# Altium PCB MCISO-P01-V05.PcbDoc (part 1 of 2)
Units mm, origin at the board's own origin, x right, y up, seen from the top; angles counter-clockwise.
Board outline 59.6 x 95.9 mm, 2 copper layers (Top Layer, Bottom Layer), stack 1.57 mm thick; 125 components, 87 nets, 473 pads, 109 vias.
Unrouted connection lines stored in the file: 41.
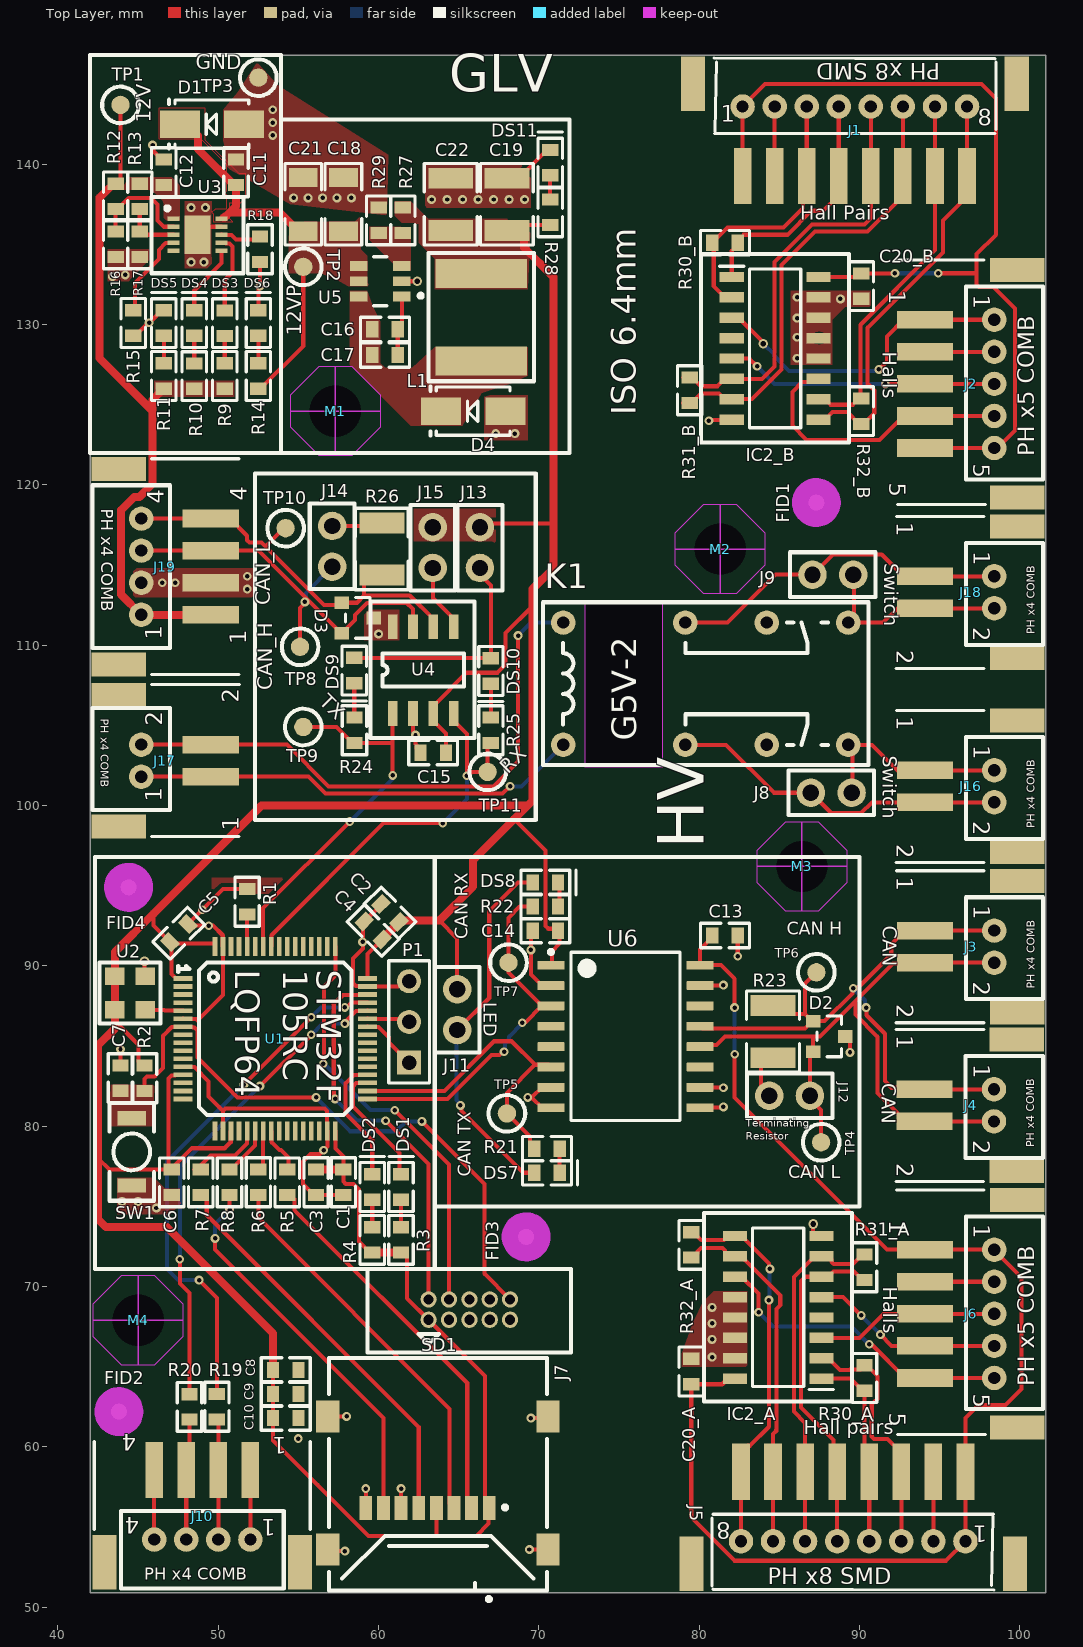
[diagram p0: Top Layer view]
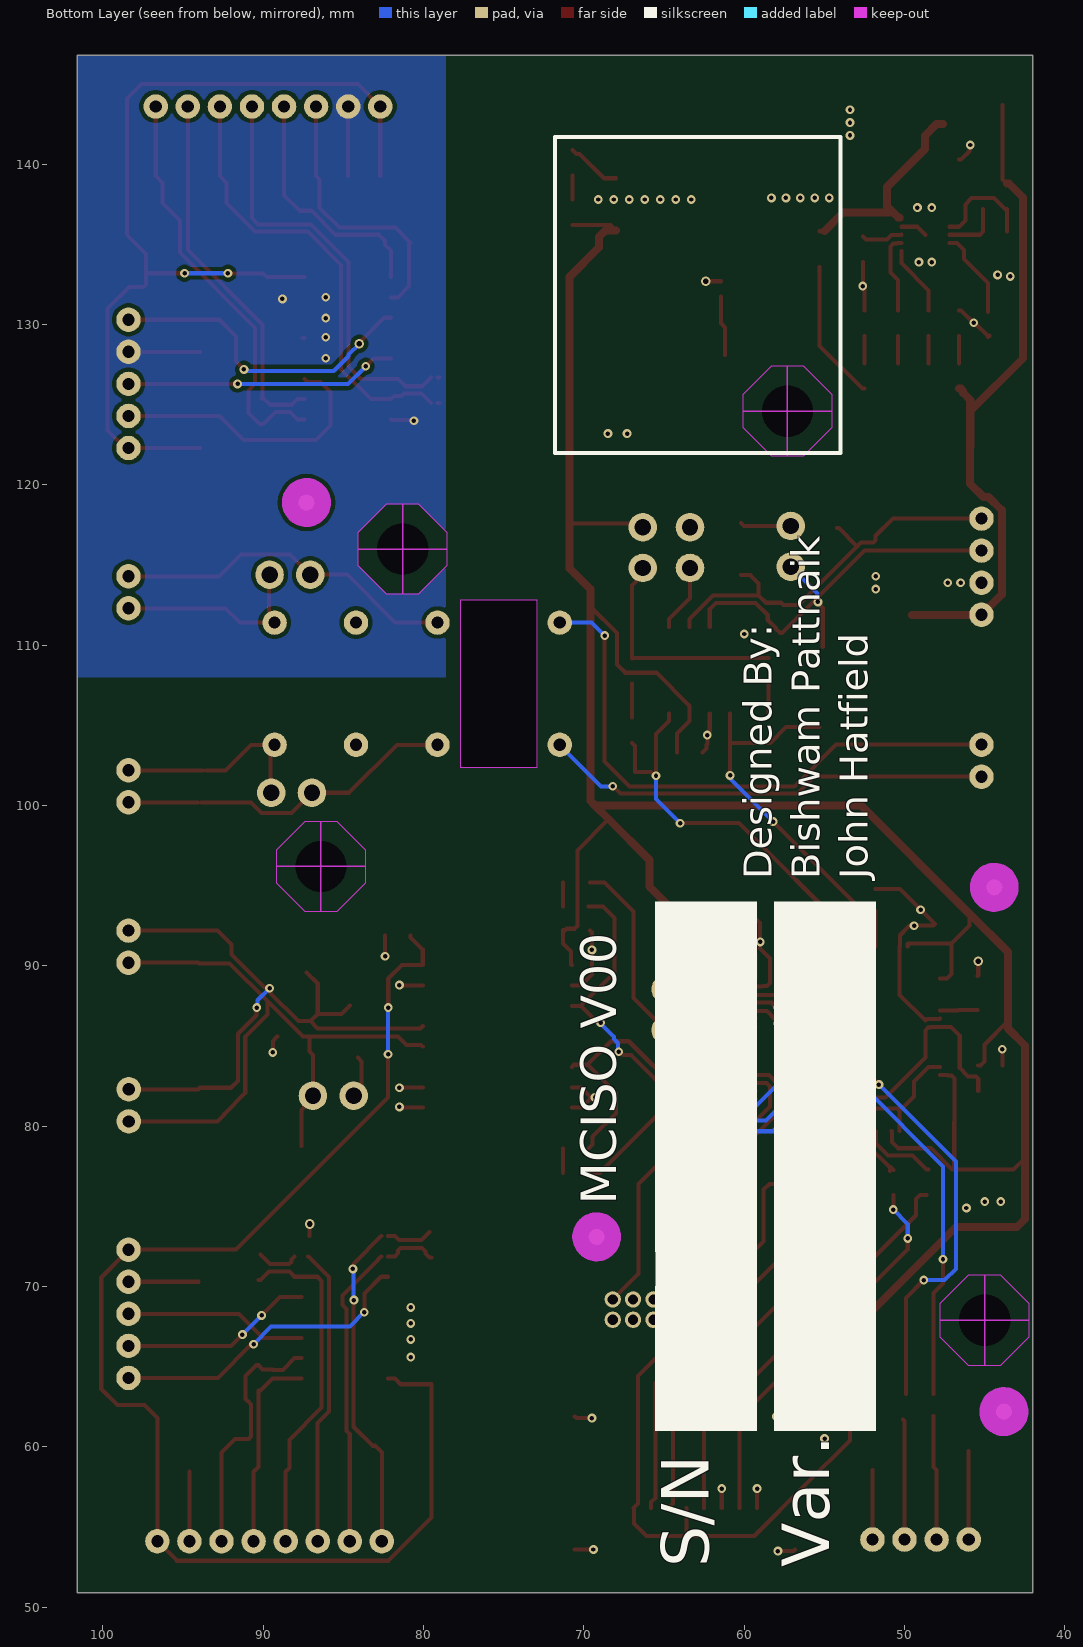
[diagram p1: Bottom Layer view, seen from below]
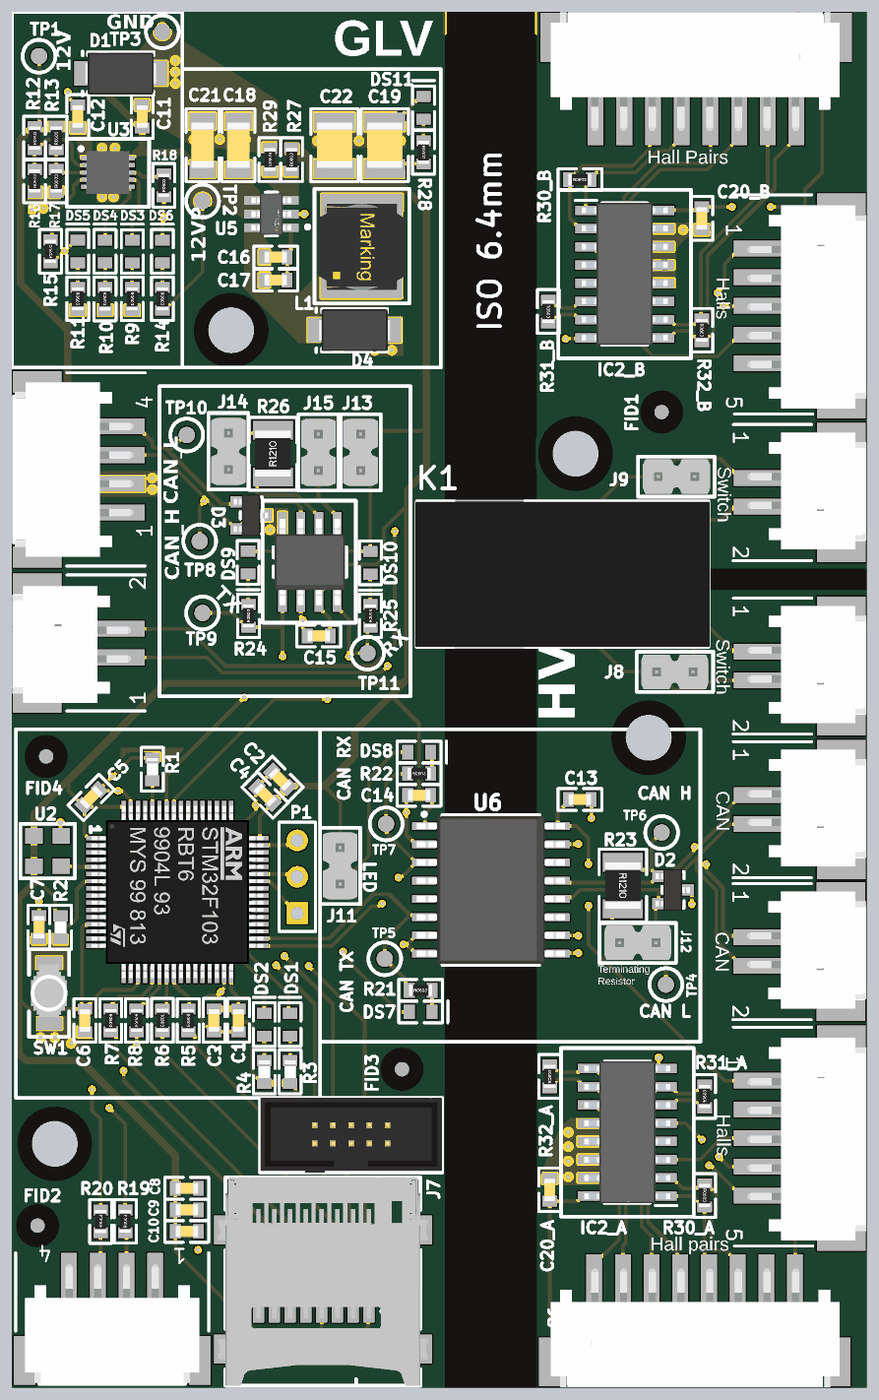
[diagram p3: 3D render of the assembled board from above, using the file's embedded part models]

## Layer stack, top to bottom
Top Solder: solder mask 0.0102, Solder Resist, Dk 3.5
Top Layer: signal copper 0.0356
Dielectric 1: core 1.4986, Core-043, Dk 4.3
Bottom Layer: signal copper 0.0356
Bottom Solder: solder mask 0.0102, Solder Resist, Dk 3.5

## Board outline
42,50.9 42,146.8 101.6,146.8 101.6,50.9
cut-out: 72.9,112.8 77.7,112.8 77.7,102.4 72.9,102.4

## Design rules (kind name [scope] priority, off if disabled: settings)
Clearance [All] p1: gap=0.254 ignorepadtopadclearanceinfootprint=FALSE except(0: Arc-Hole Track-Hole SMDPad-Hole THPad-Hole Via-Hole Fill-Hole Poly-Hole Region-Hole Text-Hole; 0.152: SMDPad-SMDPad; 0.178: Arc-SMDPad Track-SMDPad; 0.2: Arc-Arc Arc-Track Track-Track)
PolygonConnect PolygonConnect_1 [All] p1: connectstyle=Direct reliefconductorwidth=0.254 reliefentries=4 polygonreliefangle="90 Angle" airgapwidth=0.254
RoomDefinition U_MCISO-S07-V00-Master-PSU3V3-300mA [InComponentClass('U_MCISO-S07-V00-Master-PSU3V3-300mA')] p1 off: confinementstyle=ConfineIn formatcopy=TRUE lockcomponents=FALSE outline 0,0 50.8,0 50.8,25.4 0,25.4
RoomDefinition U_MCISO-S05-V00-CANIsolation [InComponentClass('U_MCISO-S05-V00-CANIsolation')] p2 off: confinementstyle=ConfineIn formatcopy=TRUE lockcomponents=FALSE outline 0,0 50.8,0 50.8,25.4 0,25.4
RoomDefinition U_MCISO-S04-V00-Microcontroller [InComponentClass('U_MCISO-S04-V00-Microcontroller')] p3 off: confinementstyle=ConfineIn formatcopy=TRUE lockcomponents=FALSE outline 0,0 50.8,0 50.8,25.4 0,25.4
RoomDefinition U_MCISO-S03-V00-CAN_MAIN [InComponentClass('U_MCISO-S03-V00-CAN_MAIN')] p4 off: confinementstyle=ConfineIn formatcopy=TRUE lockcomponents=FALSE outline 0,0 50.8,0 50.8,25.4 0,25.4
RoomDefinition U_MCISO-S02-V00-12VProtection [InComponentClass('U_MCISO-S02-V00-12VProtection')] p5 off: confinementstyle=ConfineIn formatcopy=TRUE lockcomponents=FALSE outline 50.7,8 61,8 61,24.3 50.7,24.3
RoomDefinition MCISO-S01-V00-Master [InComponentClass('MCISO-S01-V00-Master')] p6 off: confinementstyle=ConfineIn formatcopy=TRUE lockcomponents=FALSE outline 0,0 50.8,0 50.8,25.4 0,25.4
RoomDefinition B [InComponentClass('B')] p7 off: confinementstyle=ConfineIn formatcopy=TRUE lockcomponents=FALSE outline 0,0 50.8,0 50.8,25.4 0,25.4
RoomDefinition A [InComponentClass('A')] p8 off: confinementstyle=ConfineIn formatcopy=TRUE lockcomponents=FALSE outline 0,0 50.8,0 50.8,25.4 0,25.4
RoutingVias [All] p1: holewidth=0.35 width=0.6 viastyle="Through Hole" minholewidth=0.35 minwidth=0.6 maxholewidth=0.35 maxwidth=0.6
SilkToSilkClearance [All] p1: silktosilkclearance=0
SilkToSolderMaskClearance [IsPad] p1: minsilkscreentomaskgap=0 clearancetoexposedcopper=TRUE
SolderMaskExpansion [All] p1: expansion=0.102 istentingtop=FALSE
Width [All] p1: maxlimit=0.5 minlimit=0.254 preferedwidth=0.254
28 further rules are at their usual default settings.

## Classes and differential pairs
component class B: C20_B IC2_B R30_B R31_B R32_B
component class A: C20_A IC2_A R30_A R31_A R32_A
channel class MCISO-S06-V00-HALL_DIFFB: "DIFF A" "DIFF B"
component class U_MCISO-S07-V00-Master-PSU3V3-300mA: C16 C17 C18 C19 C21 C22 D4 DS11 L1 R27 R28 R29 "TP 13" U5
component class U_MCISO-S03-V00-CAN_MAIN: C15 D3 DS9 DS10 J13 J14 J15 R24 R25 R26 TP8 TP9 TP10 TP11 U4
component class U_MCISO-S02-V00-12VProtection: C8 C9 C10 C11 C12 D1 DS3 DS4 DS5 DS6 J10 J19 R5 R6 R7 R8 R9 R10 R11 R12 R13 R14 R15 R16 R17 R18 R19 R20 SD1 TP1 TP2 TP3 U3
component class U_MCISO-S05-V00-CANIsolation: C13 C14 D2 DS7 DS8 J11 J12 R21 R22 R23 TP4 TP5 TP6 TP7 U6
component class U_MCISO-S04-V00-Microcontroller: C1 C2 C3 C4 C5 C6 C7 DS1 DS2 J7 P1 R1 R2 R3 R4 SW1 U1 U2
component class MCISO-S01-V00-Master: Connector? FID1 FID2 FID3 FID4 J1 J2 J3 J4 J5 J6 J8 J9 J16 J17 J18 K1 LOGO1 M1 M2 M3 M4 NCM?

## Components (designator, comment, footprint, x,y, rotation, side; value= is the part's Value field where it differs from the comment)
C1 "100nF" Cap_Ceramic_0603 57.8,76.507 r90 top
C2 "100nF" Cap_Ceramic_0603 60.7,93.3 r315 top
C3 "100nF" Cap_Ceramic_0603 56.1,76.507 r90 top
C4 "100nF" Cap_Ceramic_0603 59.664,92.215 r315 top
C5 "4u7" Cap_Ceramic_0603 47.539,92.039 r225 top
C6 "100nF 100V" Cap_Ceramic_0603 47.1,76.5 r90 top
C7 "100nF 100V" Cap_Ceramic_0603 43.9,83 r270 top
C8 "4u7" Cap_Ceramic_0603 54.207,64.8 r180 top
C9 "1uF" Cap_Ceramic_0603 54.207,63.3 r180 top
C10 "100nF" Cap_Ceramic_0603 54.207,61.8 r180 top
C11 "4u7 50V 5%" Cap_Ceramic_0603 51.1,139.5 r270 top
C12 "470nF 50V 5%" Cap_Ceramic_0603 46.6,139.5 r270 top
C13 "4u7" Cap_Ceramic_0603 81.6,91.9 r180 top
C14 "4u7" Cap_Ceramic_0603 70.4,92.2 r0 top
C15 "100nF 100V" Cap_Ceramic_0603 63.4,103.3 r0 top
C16 "100nF 50V" Cap_Ceramic_0603 60.4,129.7 r180 top
C17 "100nF 50V" Cap_Ceramic_0603 60.4,128.1 r180 top
C18 "22uF 35V" Cap_Ceramic_1206 57.8,137.5 r90 top
C19 "47uF 16V 1210" Cap_Ceramic_1210 68,137.5 r270 top
C20_A "0.1u" Cap_Ceramic_0603 79.5,64.7 r270 top (schematic designator C20)
C20_B "0.1u" Cap_Ceramic_0603 90.1,132.4 r90 top (schematic designator C20)
C21 "22uF 35V" Cap_Ceramic_1206 55.3,137.5 r90 top
C22 "47uF 16V 1210" Cap_Ceramic_1210 64.5,137.5 r270 top
D1 "1N4448WQ-7-F" SMA 49.6,142.5 r180 top
D2 "NUP2105L" NUP2105L 88.1,85.6 r270 top
D3 "NUP2105L" NUP2105L 58.7,111.7 r270 top
D4 "B260A-13-F" SMA 65.9,124.6 r180 top
DS1 "LED Orange" "LED ORANGE 0603" 61.4,76.207 r90 top
DS2 "LED Orange" "LED ORANGE 0603" 59.6,76.207 r90 top
DS3 "LED Red 0603" "LED RED 0603" 50.4,130.087 r90 top
DS4 "LED Red 0603" "LED RED 0603" 48.5,130.093 r90 top
DS5 "LED Green 0603" "LED GREEN 0603" 46.6,130.093 r90 top
DS6 "LED Green 0603" "LED GREEN 0603" 52.5,130.093 r90 top
DS7 "LED Blue 0603" "LED BLUE 0603" 70.5,77.1 r0 top
DS8 "LED Blue 0603" "LED BLUE 0603" 70.4,95.2 r0 top
DS9 "LED Blue 0603" "LED BLUE 0603" 58.48,108.419 r270 top
DS10 "LED Blue 0603" "LED BLUE 0603" 67,108.393 r270 top
DS11 "LED Green 0603" "LED GREEN 0603" 70.7,140.1 r90 top
FID1 "Fiducial 1MM" "FIDUCIAL 1MM" 87.3,118.9 r90 top
FID2 "Fiducial 1MM" "FIDUCIAL 1MM" 43.8,62.2 r90 top
FID3 "Fiducial 1MM" "FIDUCIAL 1MM" 69.2,73.1 r90 top
FID4 "Fiducial 1MM" "FIDUCIAL 1MM" 44.4,94.9 r90 top
IC2_A "AM26LS32ACDR" SOIC127P600X175-16N 84.913,68.707 r180 top (schematic designator IC2)
IC2_B "AM26LS32ACDR" SOIC127P600X175-16N 84.725,128.521 r0 top (schematic designator IC2)
J1 "JST PH 8x Right comb" "JST PH 8x RIGHT SMD" 87.7,146.51 r0 top
J2 "JST PH 5x RIGHT COMB" "JST PH 5x RIGHT COMB" 101.321,127.3 r270 top
J3 "JST PH 2x RIGHT COMB" "JST PH 2x RIGHT COMB" 101.321,89.2 r270 top
J4 "JST PH 2x RIGHT COMB" "JST PH 2x RIGHT COMB" 101.3,79.3 r270 top
J5 "JST PH 8x Right comb" "JST PH 8x RIGHT SMD" 91.6,51.2 r180 top
J6 "JST PH 5x RIGHT COMB" "JST PH 5x RIGHT COMB" 101.321,69.3 r270 top
J7 "IDC 10P 2x5 1.27mm" "IDC 1.27MM 10P" 65.66,68.565 r0 top
J8 "Jumper 2Way Pins" Jumper_2Way_Pin 89.5,100.8 r0 top
J9 "Jumper 2Way Pins" Jumper_2Way_Pin 87.06,114.4 r180 top
J10 "JST PH 4x RIGHT COMB" "JST PH 4x RIGHT COMB" 49,51.3 r180 top
J11 "Jumper 2Way Pins" Jumper_2Way_Pin 64.9,86 r270 top
J12 "Jumper 2Way Pins" Jumper_2Way_Pin 84.36,81.9 r180 top
J13 "Jumper 2Way Pins" Jumper_2Way_Pin 66.319,114.819 r270 top
J14 "Jumper 2Way Pins" Jumper_2Way_Pin 57.1,117.44 r90 top
J15 "Jumper 2Way Pins" Jumper_2Way_Pin 63.38,114.819 r270 top
J16 "JST PH 2x RIGHT COMB" "JST PH 2x RIGHT COMB" 101.321,99.2 r270 top
J17 "JST PH 2x RIGHT COMB" "JST PH 2x RIGHT COMB" 42.279,104.8 r90 top
J18 "JST PH 2x RIGHT COMB" "JST PH 2x RIGHT COMB" 101.321,111.3 r270 top
J19 "JST PH 4x RIGHT COMB" "JST PH 4x RIGHT COMB" 42.279,114.9 r90 top
K1 "G5V-2-DC12" G5V-2 80.4,107.6 r0 top
L1 "74404064221" Inductor_6x6mm 66.4,130.4 r90 top
LOGO1 "50mm Wide QUTMS Logo" "QUTMS LOGO 10MM" 117.4,52 r90 top
M1 "Hole M3 Tight Unplated" "M3.2 UNPLATED" 57.3,124.6 r0 top
M2 "Hole M3 Tight Unplated" "M3.2 UNPLATED" 81.3,116 r0 top
M3 "Hole M3 Tight Unplated" "M3.2 UNPLATED" 86.4,96.2 r0 top
M4 "Hole M3 Tight Unplated" "M3.2 UNPLATED" 45,67.9 r0 top
P1 "Header 3" HDR1X3 61.9,83.967 r90 top
R1 "10k 1% 0603" Res_ThinFilm_0603 51.8,94 r270 top
R2 "4k7" Res_ThinFilm_0603 45.4,82.993 r90 top
R3 "330R" Res_ThinFilm_0603 61.4,72.912 r270 top
R4 "330R" Res_ThinFilm_0603 59.6,72.912 r270 top
R5 "220R" Res_ThinFilm_0603 54.3,76.5 r270 top
R6 "220R" Res_ThinFilm_0603 52.5,76.507 r270 top
R7 "220R" Res_ThinFilm_0603 48.9,76.5 r270 top
R8 "220R" Res_ThinFilm_0603 50.7,76.5 r270 top
R9 "4k7 5% 0603" Res_ThinFilm_0603 50.4,126.793 r270 top
R10 "4k7 5% 0603" Res_ThinFilm_0603 48.5,126.787 r270 top
R11 "4k7 5% 0603" Res_ThinFilm_0603 46.6,126.793 r270 top
R12 "2M2 1%" Res_ThinFilm_0603 43.6,137.993 r90 top
R13 "2M2 1%" Res_ThinFilm_0603 45.1,137.993 r90 top
R14 "4k7 5% 0603" Res_ThinFilm_0603 52.5,126.793 r270 top
R15 "150k 5% 0603" Res_ThinFilm_0603 44.7,130.1 r90 top
R16 "390k 5%" Res_ThinFilm_0603 43.6,135.007 r90 top
R17 "240k 5%" Res_ThinFilm_0603 45.1,135.007 r90 top
R18 "1k 5% 0603" Res_ThinFilm_0603 52.6,134.7 r90 top
R19 "22R" Res_ThinFilm_0603 49.909,62.5 r90 top
R20 "22R" Res_ThinFilm_0603 48.2,62.493 r90 top
R21 "330R" Res_ThinFilm_0603 70.5,78.6 r0 top
R22 "330R" Res_ThinFilm_0603 70.4,93.7 r0 top
R23 "120R 1% 1210" Res_ThinFilm_1210 84.6,85.9 r270 top
R24 "330R" Res_ThinFilm_0603 58.5,104.7 r90 top
R25 "330R" Res_ThinFilm_0603 67,104.7 r90 top
R26 "120R 1% 1210" Res_ThinFilm_1210 60.2,116 r90 top
R27 "64k9 1%" Res_ThinFilm_0603 61.5,136.5 r90 top
R28 "1k" Res_ThinFilm_0603 70.7,137 r270 top
R29 "19k6 1%" Res_ThinFilm_0603 60,136.5 r270 top
R30_A "120" Res_ThinFilm_0603 90.3,64.3 r270 top (schematic designator R30)
R30_B "120" Res_ThinFilm_0603 81.6,135.1 r0 top (schematic designator R30)
R31_A "120" Res_ThinFilm_0603 90.3,71.207 r90 top (schematic designator R31)
R31_B "120" Res_ThinFilm_0603 79.4,125.907 r270 top (schematic designator R31)
R32_A "120" Res_ThinFilm_0603 79.5,72.6 r90 top (schematic designator R32)
R32_B "120" Res_ThinFilm_0603 90.1,124.6 r270 top (schematic designator R32)
SD1 "47219-2001" 47219-2001 63.695,57.75 r180 top
SW1 "B3U-1000P" "BTN B3U-1000P" 44.6,78.4 r90 top
TP1 "TestPoint" TestPointSMD 43.9,143.7 r0 top
TP2 "TestPoint" TestPointSMD 55.3,133.6 r0 top
TP3 "TestPoint" TestPointSMD 52.5,145.4 r0 top
TP4 "TestPoint_SMD" TestPointSMD 87.6,79 r0 top
TP5 "TestPoint_SMD" TestPointSMD 68,80.8 r0 top
TP6 "TestPoint_SMD" TestPointSMD 87.3,89.6 r0 top
TP7 "TestPoint_SMD" TestPointSMD 68.1,90.2 r0 top
TP8 "TestPoint_SMD" TestPointSMD 55.1,109.9 r90 top
TP9 "TestPoint_SMD" TestPointSMD 55.3,104.9 r0 top
TP10 "TestPoint_SMD" TestPointSMD 54.2,117.3 r180 top
TP11 "TestPoint_SMD" TestPointSMD 66.8,102.1 r90 top
U1 "STM32F105RC" STM32F105RC 47.8,89.207 r270 top
U2 "DSC1001DI1-008.0000T" DSC1001DI1-008.0000TCT-ND 44.5,88.307 r0 top
U3 "MAX17612A" MAX17612A 48.7,135.6 r0 top
U4 "SN65HVD233" SN65HVD233DR 62.78,108.449 r90 top
U5 "LMR14010ADDCR" FP-DDC0006A-MFG 60.1,132.7 r180 top
U6 "ISO1050DWR" DW00016B_L 75.4,85.6 r0 top

## Footprints (in the part's own frame and the unit in brackets; to place one, negate y for a bottom-side part, rotate by r counter-clockwise, add the part's x,y. Pads: shape width x height; smd on the part's side, far side on the other; paste and mask are expansions set on the pad)
47219-2001 [mm]
  rect 0.8x1.5 smd: 1(-3.205,1.55) 2(-2.105,1.55) 3(-1.005,1.55) 4(0.095,1.55) 5(1.195,1.55) 6(2.295,1.55) 7(3.395,1.55) 8(4.495,1.55)
  rect 1.45x2 smd: 9(6.875,4.15) 10(6.875,-4.15) 11(-6.875,-4.15) 12(-6.875,4.15)
  silkscreen extent -6.8,-7.8 6.8,7.36, body extent -7.3,-7.79 7.3,6.71, height 1.91
"BTN B3U-1000P" [mil] "OMRON B3U-1000P"
  rect 35x70 smd: 1(-82.68,0) 2(82.68,0)
  silkscreen extent -120,-55 120,55, body extent -79,-49 79,49
Cap_Ceramic_0603 [mil]
  rect 30x40 smd: 1(-31.24,0) 2(31.24,0)
  silkscreen extent -60,-30 60,30, body extent -31,-16 31,16, height 33
Cap_Ceramic_1206 [mil]
  rect 47x71 smd: 1(-66.08,0) 2(66.08,0)
  silkscreen extent -100,-45 100,45, body extent -63,-31 63,32, height 53
Cap_Ceramic_1210 [mm]
  rect 1.3x2.8 smd: 1(-1.625,0) 2(1.625,0)
  silkscreen extent -2.54,-1.65 2.54,1.65, body extent -1.6,-1.25 1.6,1.25, height 1.35
DSC1001DI1-008.0000TCT-ND [mm]
  rect 1.219x1.092 smd: 1(-0.95,1.05) 2(0.95,1.05) 3(0.95,-1.05) 4(-0.95,-1.05)
  silkscreen extent -1.91,-1.91 1.91,1.91, body extent -1.25,-1.6 1.25,1.6, height 0.85
DW00016B_L [mm] "SOIC, 16-Leads, Body 10.5x7.6mm, Pitch 1.27mm, IPC High Density"
  rrect18% 1.7x0.55 smd: 1(-4.65,4.445) 2(-4.65,3.175) 3(-4.65,1.905) 4(-4.65,0.635) 5(-4.65,-0.635) 6(-4.65,-1.905) 7(-4.65,-3.175) 8(-4.65,-4.445) 9(4.65,-4.445) 10(4.65,-3.175) 11(4.65,-1.905) 12(4.65,-0.635) 13(4.65,0.635) 14(4.65,1.905) 15(4.65,3.175) 16(4.65,4.445)
  silkscreen extent -4.77,-5.25 3.4,5.39, body extent -5.17,-5.15 5.17,5.15, height 2.54
"FIDUCIAL 1MM" [mm]
  round 1 smd mask+1: 1(0,0)
  round 1 smd far side mask+1: 1(0,0)
  Keep-Out Layer circle w1.524: c0,0 r0.762
FP-DDC0006A-MFG [mm]
  rect 1.1x0.6 smd paste+0 mask+0: 1(-1.35,0.95) 2(-1.35,0) 3(-1.35,-0.95) 4(1.35,-0.95) 5(1.35,0) 6(1.35,0.95)
  silkscreen extent -2.65,-1.53 0.43,1.53, body extent -2,-1.63 2,1.63, height 0.25
G5V-2 [mil]
  round 60 hole 30: 1(-350,150) 4(-50,150) 6(150,150) 8(350,150) 9(350,-150) 11(150,-150) 13(-50,-150) 16(-350,-150)
  silkscreen extent -400,-200 400,200, body extent -404,-199 404,199, height 453
HDR1X3 [mm] "Connector; Header; 3 Position"
  rect 1.5x1.5 hole 0.9: 1(0,0)
  round 1.5 hole 0.9: 2(2.54,0) 3(5.08,0)
  silkscreen extent -1.27,-1.27 6.35,1.27
"IDC 1.27MM 10P" [mil]
  round 40 hole 25: 1(-100,-25) 2(-100,25) 3(-50,-25) 4(-50,25) 5(0,-25) 6(0,25) 7(50,-25) 8(50,25) 9(100,-25) 10(100,25)
  silkscreen extent -250,-105 250,100, body extent -249,-104 249,100, height 214
Inductor_6x6mm [mm]
  rect 1.8x5.7 smd: 1(-2.667,0) 2(2.794,0)
  silkscreen extent -3.94,-3.3 4.06,3.3, body extent -3,-3 3,3, height 4.56
"JST PH 2x RIGHT COMB" [mm]
  round 1.524 hole 0.762: 1(-3,-2.921) 2(-1,-2.921)
  rect 1.1x3.5 smd: 1(-3,-7.25) 2(-1,-7.25)
  rect 1.5x3.4 smd: M(-6.1,-1.5) M(2.1,-1.5)
  silkscreen extent -6.73,-9.04 2.75,0.13, body extent -6.17,-8.03 1.97,0.23, height 5.89
"JST PH 4x RIGHT COMB" [mm]
  round 1.524 hole 0.762: 1(-3,-2.921) 2(-1,-2.921) 3(1,-2.921) 4(3,-2.921)
  rect 1.1x3.5 smd: 1(-3,-7.25) 2(-1,-7.25) 3(1,-7.25) 4(3,-7.25)
  rect 1.5x3.4 smd: M(-6.1,-1.5) M(6.1,-1.5)
  silkscreen extent -6.73,-9.02 6.73,0.13, body extent -6.07,-8.2 6.07,0.06, height 5.89
"JST PH 5x RIGHT COMB" [mm]
  round 1.524 hole 0.762: 1(-3,-2.921) 2(-1,-2.921) 3(1,-2.921) 4(3,-2.921) 5(5,-2.921)
  rect 1.1x3.5 smd: 1(-3,-7.25) 2(-1,-7.25) 3(1,-7.25) 4(3,-7.25) 5(5,-7.25)
  rect 1.5x3.4 smd: M(-6.1,-1.5) M(8.1,-1.5)
  silkscreen extent -6.73,-9.02 8.53,0.13, body extent -6,-8.03 8.15,0.23, height 5.89
"JST PH 8x RIGHT SMD" [mm]
  rect 1.1x3.5 smd: 1(-5,-7.25) 2(-3,-7.25) 3(-1,-7.25) 4(1,-7.25) 5(3,-7.25) 6(5,-7.25) 7(7,-7.25) 8(9,-7.25)
  round 1.524 hole 0.762: 1(-5,-2.91) 2(-3,-2.91) 3(-1,-2.91) 4(1,-2.91) 5(3,-2.91) 6(5,-2.91) 7(7,-2.91) 8(9,-2.91)
  rect 1.5x3.4 smd: M(-8.1,-1.5) M(12.1,-1.5)
  silkscreen extent -6.78,-4.6 10.8,0.13, body extent -8.12,-8 12.03,0.25, height 5.89
Jumper_2Way_Pin [mil]
  round 70 hole 40: 1(-100,0) 2(0,0)
  silkscreen extent -155,-55 55,55, body extent -142,-48 42,47, height 332
"LED BLUE 0603" [mil]
  rect 30x40 smd: 1(-31.24,0) 2(31.24,0)
  silkscreen extent -60,-30 75,30, body extent -40,-20 40,20, height 30
"LED GREEN 0603" [mil]
  rect 30x40 smd: 1(-31.24,0) 2(31.24,0)
  silkscreen extent -60,-30 75,30, body extent -40,-20 40,20, height 30
"LED ORANGE 0603" [mil]
  rect 30x40 smd: 1(-31.24,0) 2(31.24,0)
  silkscreen extent -60,-30 75,30, body extent -40,-20 40,20, height 30
"LED RED 0603" [mil]
  rect 30x40 smd: 1(-31.24,0) 2(31.24,0)
  silkscreen extent -60,-30 75,30, body extent -40,-20 40,20, height 30
"M3.2 UNPLATED" [mm]
  round 0 hole 3.2 unplated mask+2.6: 1(0,0)
  Keep-Out Layer pour cut-out: -2.794,0 -2.794,1.016 -1.016,2.794 0,2.794 0,0
  Keep-Out Layer pour cut-out: 0,2.794 1.016,2.794 2.794,1.016 2.794,0 0,0
  Keep-Out Layer pour cut-out: 2.794,0 2.794,-1.016 1.016,-2.794 0,-2.794 0,0
  Keep-Out Layer pour cut-out: 0,-2.794 -1.016,-2.794 -2.794,-1.016 -2.794,0 0,0
MAX17612A [mm]
  rect 0.75x0.3 smd: 1(-1.5,1) 2(-1.5,0.5) 3(-1.5,0) 4(-1.5,-0.5) 5(-1.5,-1) 6(1.5,-1) 7(1.5,-0.5) 8(1.5,0) 9(1.5,0.5) 10(1.5,1)
  rect 1.6x2.4 smd: 11(0,0)
  silkscreen extent -2.87,-2.4 2.87,2.35, body extent -1.55,-1.5 1.55,1.5, height 0.8
NUP2105L [mm]
  rect 0.8x0.9 smd: 1(-0.95,-1) 2(0.95,-1) 3(0,1)
  silkscreen extent -1.27,-0.76 1.27,0.76, body extent -1.45,-1.22 1.45,1.18, height 1
"QUTMS LOGO 10MM" [mm]
  silkscreen extent 0,0 9.96,3.34
Res_ThinFilm_0603 [mil]
  rect 30x40 smd: 1(-31.24,0) 2(31.24,0)
  silkscreen extent -60,-30 60,30, body extent -31,-16 31,16
Res_ThinFilm_1210 [mm]
  rect 1.3x2.8 smd: 1(-1.625,0) 2(1.625,0)
  silkscreen extent -2.54,-1.65 2.54,1.65, body extent -1.6,-1.25 1.6,1.25, height 0.6
SMA [mm]
  rect 2.5x1.7 smd: A(-2,0) K(2,0)
  silkscreen extent -2.3,-1.52 2.67,1.52, body extent -2.52,-1.46 2.52,1.46, height 2.4
SN65HVD233DR [mm]
  rect 1.55x0.6 smd: 1(-2.7,1.903) 2(-2.7,0.633) 3(-2.7,-0.637) 4(-2.7,-1.907) 5(2.7,-1.907) 6(2.7,-0.637) 7(2.7,0.633) 8(2.7,1.903)
  silkscreen extent -4.23,-3.2 4.28,3.3, body extent -3.01,-2.45 3.01,2.45, height 1.63
SOIC127P600X175-16N [mm]
  rect 1.5x0.65 smd: 1(-2.7,4.445) 2(-2.7,3.175) 3(-2.7,1.905) 4(-2.7,0.635) 5(-2.7,-0.635) 6(-2.7,-1.905) 7(-2.7,-3.175) 8(-2.7,-4.445) 9(2.7,-4.445) 10(2.7,-3.175) 11(2.7,-1.905) 12(2.7,-0.635) 13(2.7,0.635) 14(2.7,1.905) 15(2.7,3.175) 16(2.7,4.445)
  silkscreen extent -4.62,-5.87 4.62,5.87, body extent -3,-4.95 3,4.95, height 1.75
STM32F105RC [mm]
  rect 0.3x1.2 smd: 1(0,0) 2(0.5,0) 3(1,0) 4(1.5,0) 5(2,0) 6(2.5,0) 7(3,0) 8(3.5,0) 9(4,0) 10(4.5,0) 11(5,0) 12(5.5,0) 13(6,0) 14(6.5,0) 15(7,0) 16(7.5,0) 33(7.5,11.5) 34(7,11.5) 35(6.5,11.5) 36(6,11.5) 37(5.5,11.5) 38(5,11.5) 39(4.5,11.5) 40(4,11.5) 41(3.5,11.5) 42(3,11.5) 43(2.5,11.5) 44(2,11.5) 45(1.5,11.5) 46(1,11.5) 47(0.5,11.5) 48(0,11.5)
  rect 1.2x0.3 smd: 17(9.5,2) 18(9.5,2.5) 19(9.5,3) 20(9.5,3.5) 21(9.5,4) 22(9.5,4.5) 23(9.5,5) 24(9.5,5.5) 25(9.5,6) 26(9.5,6.5) 27(9.5,7) 28(9.5,7.5) 29(9.5,8) 30(9.5,8.5) 31(9.5,9) 32(9.5,9.5) 49(-2,9.5) 50(-2,9) 51(-2,8.5) 52(-2,8) 53(-2,7.5) 54(-2,7) 55(-2,6.5) 56(-2,6) 57(-2,5.5) 58(-2,5) 59(-2,4.5) 60(-2,4) 61(-2,3.5) 62(-2,3) 63(-2,2.5) 64(-2,2)
  silkscreen extent -1,-0.3 8.5,10.5, body extent -2.25,-0.25 9.75,11.75, height 1.6
TestPointSMD [mil]
  round 45 smd: 1(0,0)
  silkscreen extent -45,-45 45,45

## Part data
C1 C2 C3 C4 C10 C16 C17: library part "100nF 50V 5% X7R 0603", "Capacitor, Ceramic, SMD, 100nF, 50V, 5%, X7R, 0603"
C5 C8 C11 C13 C14 C20_A C20_B: library part "4u7 50V 5% X7R 0603", "Capacitor, Ceramic, SMD, 4u7, 50V, 5%, X7R, 0603"
C6 C7 C15: library part "100nF 100V 5% X7R 0603", "Capacitor, Ceramic, SMD, 100nF, 100V, 5%, X7R, 0603"
C9: library part "1uF 25V 5% X7R 0603", "Capacitor, Ceramic, SMD, 1uF, 25V, 5%, X7R, 0603"
C12: library part "470nF 50V 5% X7R 0603", "Capacitor, Ceramic, SMD, 470nF, 50V, 5%, X7R, 0603"
C18 C21: library part "22uF 35V 20% X5R 1206", "22µF ±20% 35V Ceramic Capacitor X5R 1206 (3216 Metric)", ComponentLink1Description=Digikey, ComponentLink1URL=https://www.digikey.com.au/product-detail/en/tdk-corporation/C3216X5R1V226M160AC/445-8045-1-ND/2792165, ComponentLink2Description=Datasheet, ComponentLink2URL=https://product.tdk.com/info/en/catalog/datasheets/mlcc_commercial_general_en.pdf
C19 C22: library part "47uF 16V 10% X7R 1210", "Capacitor, Ceramic, SMD, 47uF, 16V, 5%, X7R, 1210"
D1: "Diode, SMD, 75V, 5%, 250mA, SOD123", Average Rectified Current=150mA, Forward Voltage=1V, Manufacturer="ON Semiconductor / Fairchild", Manufacturer Part Number=1N914BWS, Max Forward Surge Current (Ifsm)=4A, Max Operating Temperature=150°C, Max Repetitive Reverse Voltage (Vrrm)=75V, Max Reverse Leakage Current=5uA, Min Operating Temperature=-55°C, Package Quantity=1, Power Dissipation=200mW, Category="Rectifier Diodes", Contact Plating=Tin,Matte, Element Configuration=Single, Forward Current=150mA, Height=1mm, Lead Free="Lead Free", Length=1.8mm, Max Reverse Voltage (DC)=75V, Mount="Surface Mount", Number of Pins=2, Packaging="Tape and Reel", Peak Reverse Current=5uA, Radiation Hardening=No, REACH SVHC="No SVHC", Recovery Time=4ns, Reverse Recovery Time=4ns, Reverse Voltage=75V, Weight=0.0276g, Width=1.35mm
D4: "Diode, Schottky Barrier Rectifier, 60 V, 2 A, B260A-13-F"
DS1 DS2: library part "LED ORANGE 0603"
DS7 DS8 DS9 DS10: library part "LED BLUE 0603"
IC2_A IC2_B: "Integrated Circuit", Manufacturer_Name="Texas Instruments", Mouser Part Number=595-AM26LS32ACDR, Arrow Part Number=AM26LS32ACDR, Arrow Price/Stock=https://www.arrow.com/en/products/am26ls32acdr/texas-instruments, Datasheet Link=http://www.ti.com/lit/gpn/am26ls32ac, Height=1.75mm, Manufacturer_Part_Number=AM26LS32ACDR, Mouser Price/Stock=https://www.mouser.co.uk/ProductDetail/Texas-Instruments/AM26LS32ACDR/?qs=L4Mc90zKIpjEhSPPcfdoEw%3D%3D
J8 J9 J11 J12 J13 J14 J15: library part "Jumper 2Way Side Pins", "Jumper 2Way Side Pins"
K1: "General Purpose Relay DPDT (2 Form C) Through Hole, 12V, 2A"
L1: "FIXED IND 220UH 660MA 850 MOHM", ComponentLink1Description=Digikey, ComponentLink1URL=https://www.digikey.com.au/product-detail/en/w%C3%BCrth-elektronik/74404064221/732-7261-1-ND/5353241, ComponentLink2Description="LCSC A", ComponentLink2URL=https://lcsc.com/product-detail/Power-Inductors_Sunlord-SWPA6045S221MT_C91047.html, ComponentLink3Description="LCSC B", ComponentLink3URL=https://lcsc.com/product-detail/Power-Inductors_SXN-Shun-Xiang-Nuo-Elec-SMNR6045-221MT_C467145.html
LOGO1: library part "QUTMS Logo 50mm"
M1 M2 M3 M4: "M3.2 Hole, No Plating"
P1: "Header, 3-Pin", LatestRevisionDate=17-Jul-2002, LatestRevisionNote="Re-released for DXP Platform.", Publisher="Altium Limited"
R1: library part "20k 1% 0603", "Resistor, SMD, 20k, 0.1W, 5%, 0603"
R2: library part "4k7 5% 0603", "Resistor, SMD, 4k7, 0.1W, 5%, 0603"
R3 R4 R21 R22 R24 R25: library part "330R 5% 0603", "Resistor, SMD, 330R, 0.1W, 5%, 0603"
R5 R6 R7 R8: library part "220R 5% 0603", "Resistor, SMD, 220R, 0.1W, 5%, 0603"
R9 R10 R11 R14: "Resistor, SMD, 4k7, 0.1W, 5%, 0603"
R12 R13: library part "2M2 1% 0603", "Resistor, SMD, 2M2, 0.125W, 1%, 0603"
R15: library part "150k 5%, 0603", "Resistor, SMD, 150k, 0.1W, 5%, 0603"
R16: library part "390k 5% 0603", "Resistor, SMD, 390k, 0.1W, 5%, 0603"
R17: library part "240k 5% 0603", "Resistor, SMD, 240k, 0.1W, 5%, 0603"
R18: "Resistor, SMD, 1k, 0.1W, 5%, 0603"
R19 R20: library part "22R 1% 0603", "Resistor, SMD, 22R, 0.1W, 1%, 0603"
R23 R26: "Resistor, SMD, 120R, 0.25W, 1%, 1210"
R27: library part "64k9 1% 0603", "Resistor, SMD, 64k9, 0.1W, 5%, 0603"
R28: library part "1k 5% 0603", "Resistor, SMD, 1k, 0.1W, 5%, 0603"
R29: library part "19k6 1% 0603", "Resistor, SMD, 19k6, 0.1W, 5%, 0603"
R30_A R30_B R31_A R31_B R32_A R32_B: library part "120 1% 0603", "Resistor, SMD, 120, 0.1W, 5%, 0603"
SD1: "MicroSD Card Connector, Hinge Type, -40 to 85 degC, 8-Pin SMD, RoHS, Tape and Reel"
SW1: library part "BTN B3U-1000P", "Omron B3U-1000P Ultra Miniture Switch", ComponentLink1Description=LCSC, ComponentLink1URL=https://lcsc.com/product-detail/Tactile-Switches_BRIGHT-TSA063G50-250_C294565.html
U1: "ARM® Cortex®-M3 STM32F1 Microcontroller IC 32-Bit 72MHz 256KB (256K x 8) FLASH 64-LQFP (10x10)", ComponentLink1Description=Digikey, ComponentLink1URL=https://www.digikey.com.au/product-detail/en/stmicroelectronics/STM32F105RCT6TR/497-17397-1-ND/8024118, ComponentLink2Description=Datasheet, ComponentLink2URL=https://www.st.com/content/ccc/resource/technical/document/datasheet/e4/f3/1a/89/5a/02/46/ae/CD00220364.pdf/files/CD00220364.pdf/jcr:content/translations/en.CD00220364.pdf
U2: "on 8MHz XO (Standard) CMOS Oscillator 1.8 ~ 3.3V Standby (Power Down) 4-SMD, No Lead"
U3: "4.5V to 60V, 250mA Current-Limiter with OV, UV, and Reverse Protection", ComponentLink1Description=Datasheet, ComponentLink1URL=https://datasheets.maximintegrated.com/en/ds/MAX17612A-MAX17612C.pdf
U5: library part CMP-04918-000056-1, "IC REG BUCK ADJ 1A TSOT23-6", Manufacturer="Texas Instruments", Max Junction Temp=+125°C, Max Supply Voltage=40V, Min Supply Voltage=4V, Output Current=1A, Package=DDC0006A, Switching Frequency=700kHz, Temperature="-40°C to +125°C", Temperature Range Low=-40°C, Automotive=No, Category=IC, ComponentLink2Description=Datasheet, ComponentLink2URL=https://www.ti.com/lit/ds/symlink/lmr14010a.pdf, Device Class L1="Integrated Circuits (ICs)", Device Class L2="Power Management ICs", Device Class L3="Voltage Regulators - Switching", Digikey Description="IC REG BUCK ADJ 1A TSOT23-6", Height=1.1mm, Ipc Land Pattern Name=SOT95P280X110-6, Lead Free=Yes, Manufacturer Part Number=LMR14010ADDCR, Max Duty Cycle=96%, Mouser Description="4-V to 40-V, 1-A Step-Down Converter With High Efficiency Eco-Mode 6-SOT-23-THIN -40 to 125", Number Of Outputs=1, Octopart=https://octopart.com/lmr14010addcr-texas+instruments-90753290, Output Type=AdjustableProgrammable, RoHS=TRUE, Standoff Height=0mm, Switching Topology=Buck, Temperature Range High=+125°C
U6: library part CMP-0315-00059-2, "Isolated CAN Transceiver, -55 to 105 degC, 16-pin SOIC (DW), Green (RoHS & no Sb/Br)", Drivers Per Package=1, Manufacturer="Texas Instruments", Rating=Catalog, Code_JEDEC=MS-013-AA, ComponentLink1Description=Datasheet, ComponentLink1URL=http://www.ti.com/general/docs/lit/getliterature.tsp?genericPartNumber=ISO1050&fileType=pdf, ComponentLink2Description="Package Specification", ComponentLink2URL=http://www.ti.com/litv/pdf/msoi003g, DatasheetVersion=SLLS983E, Eco-Plan="Green (RoHS & no Sb/Br)", Isolated=Yes, Mounting Technology="Surface Mount", PackageDescription="16-Pin Small Outline Integrated Circuit, 10.3 x 7.5 mm, Pitch 1.27 mm Pitch", PackageReference=DW00016B, PackageVersion="revG, Jan-2011", PartNumber=ISO1050DWR, SubFamily=CAN
D2 D3: ComponentLink1Description=Datasheet, ComponentLink1URL=https://www.onsemi.cn/PowerSolutions/document/NUP2105L-D.PDF, ComponentLink2Description=LCSC, ComponentLink2URL=https://lcsc.com/product-detail/TVS_ON-Semiconductor-NUP2105LT1G_C14486.html, ComponentLink3Description=Digikey, ComponentLink3URL=https://www.digikey.com.au/product-detail/en/on-semiconductor/SZNUP2105LT1G/SZNUP2105LT1GOSCT-ND/3487669
U4: ComponentLink1Description=LCSC, ComponentLink1URL=https://lcsc.com/product-detail/CAN-ICs_Texas-Instruments_SN65HVD233DRG4_Texas-Instruments-Texas-Instruments-SN65HVD233DRG4_C61643.html, ComponentLink2Description=Digikey, ComponentLink2URL=https://www.digikey.com.au/product-detail/en/texas-instruments/SN65HVD233DR/296-35967-1-ND/4134960, ComponentLink3Description=Datasheet, ComponentLink3URL=https://www.ti.com/lit/ds/symlink/sn65hvd233.pdf?ts=1588560888178, ComponentLink4Description="Ti Product Page", ComponentLink4URL=https://www.ti.com/product/SN65HVD233

## Via types
v1: diameter 0.55, hole 0.279, Top Layer to Bottom Layer, 105 vias
v2: diameter 0.6, hole 0.35, Top Layer to Bottom Layer, 4 vias

## Nets (pads, with @x,y where several pads share a name; then routed paths per layer and width w, separated by ;. In a path a pad name is that pad's centre, name@x,y a point inside that pad or via, vN(x,y) a via of type N, cw(c..) or ccw(c..) an arc to the next point about the centre after c; other vN are vias at no path point)
3V3: C1.2 C2.2 C3.2 C4.2 C5.2 C6.2 C8.2 C9.2 C10.2 C14.2 C15.2 C19.2 C22.2 J7.1 J11.1 J13.1 J15.1 L1.2 R2.2 R3.2 R4.2 R27.2 R28.2 SD1.1 SD1.4 U1.1 U1.13 U1.19 U1.32 U1.48 U1.64 U2.1 U2.4 U4.3 U6.1 | length 235.8
  Top Layer w0.254: 42.5,78 43.2,77.3 C6.2@46.9,77.3 ; 43.55,86.55 45.019,85.081 45.019,84.041 45.273,83.787 R2.2@45.4,83.787 ; 45.946,93.254 45.946,92.509 C5.2@46.978,91.478 C5.2@47.068,91.388 ; U1.13@47.8,83.207 47.35,83.207 47.305,83.161 47.074,83.161 46.895,82.983 46.895,80.271 46.9,80.266 C6.2@46.9,77.3 ; U1.1@47.8,89.207 47.35,89.207 47.068,89.489 C5.2@47.068,91.388 ; U1.64@49.8,91.207 49.8,91.365 49.777,91.388 C5.2@47.068,91.388 ; U1.19@50.8,79.707 50.777,79.684 50.777,79.003 50.402,78.627 48.354,78.627 47.027,77.3 C6.2@46.9,77.3 ; C8.2@53.413,64.8 C9.2@53.413,63.3 C10.2@53.413,61.8 53.413,60.406 56.17,57.648 59.373,54.446 63.6,54.446 ; U1.32@57.3,79.707 57.3,78.6 57.8,78.1 C1.2@57.8,77.3 57.8,76.548 57.949,76.399 58.434,76.399 58.787,76.046 58.787,72.804 59.473,72.118 R4.2@59.6,72.118 ; U1.48@59.3,89.207 59.3,90.729 C4.2@60.225,91.654 ; R3.2@61.4,72.118 61.527,72.118 61.781,71.864 61.781,69.269 J7.1@63.12,67.93 66.627,64.423 66.627,56.473 SD1.1@66.9,56.2 66.864,56.164 66.864,55.218 66.092,54.446 63.6,54.446 ; SD1.4@63.6,56.2 63.6,54.446 ; 63.789,92.829 64.9,91.718 J11.1@64.9,88.54 ; C15.2@64.193,103.3 64.193,104.498 63.417,105.274 U4.3@63.417,105.749 63.417,106.224 65.478,108.286 67.419,108.286 67.924,108.79 67.924,110.751 69.572,112.4 69.6,112.4 ; J13.1@66.319,117.359 66.56,117.6 70.9,117.6 ; C19.2@68,135.875 68.332,136.207 R28.2@70.7,136.207 ; 68.45,99.15 70.4,97.2 70.4,92.499 70.58,92.318 71.075,92.318 C14.2@71.193,92.2 ; U6.1@70.75,90.045 70.8,90.095 70.8,90.9 71.293,91.393 C14.2@71.293,92.227
  Top Layer w0.5: 45.946,93.246 52.7,100 69.3,100 ; 45.946,93.254 43.55,90.857 U2.1@43.55,89.357 U2.4@43.55,87.257 43.55,86.55 43.55,86.095 42.5,85.045 42.5,78 42.5,74.2 43,73.7 46.8,73.7 53.413,67.087 C8.2@53.413,64.8 ; C3.2@56.1,77.3 C1.2@57.8,77.3 ; R4.2@59.6,72.118 R3.2@61.4,72.118 ; C4.2@60.225,91.654 60.225,91.678 61.261,92.714 C2.2@61.261,92.739 61.351,92.829 63.789,92.829 65.9,94.94 65.9,96.6 68.45,99.15 69.3,100 ; C19.2@68,135.875 68.655,135.875 69.055,135.475 69.055,134.819 70.9,132.975 70.9,117.6 70.9,114.8 69.6,113.5 69.6,112.4 69.6,100.3 69.3,100
"5V INV A": C20_B.2 IC2_B.16 J1.1 J2.5 | length 59.9
  Top Layer w0.254: J1.1@82.7,139.26 J1.1@82.7,143.6 84.1,145 97.6,145 98.5,144.1 98.5,135.6 97.3,134.4 97.3,133.2 ; IC2_B.16@87.425,132.966 89.772,132.966 C20_B.2@90,133.193 ; C20_B.2@90.1,133.193 92.193,133.193 v1(92.2,133.2) ; J2.5@93.931,122.3 98.6,122.3 99.7,123.4 99.7,131 98.355,132.345 97.449,132.345 97.3,132.494 97.3,133.2 ; v1(94.9,133.2) 97.3,133.2
  Bottom Layer w0.254: v1(92.2,133.2) v1(94.9,133.2)
"5V INV B": C13.2 C20_A.2 IC2_A.16 J5.1 J6.1 U6.16 | length 83
  Top Layer w0.254: C13.2@80.807,91.9 80.807,91.773 80.05,91.016 U6.16@80.05,90.045 81.355,90.045 82.2,89.2 v1(82.2,87.4) ; v1(82.208,84.492) 82.208,81.792 91.7,72.3 J6.1@94.071,72.3 J6.1@97.96,72.3 ; IC2_A.16@82.213,64.262 81.788,64.262 81.432,63.907 C20_A.2@79.5,63.907 79.5,55.594 82.194,52.9 95.39,52.9 J5.1@96.6,54.11 J5.1@96.6,58.45 96.6,61.8 97.4,62.6 99.1,62.6 100.1,63.6 100.1,70.56 J6.1@98.36,72.3
  Bottom Layer w0.254: v1(82.2,87.4) 82.204,87.396 82.204,84.496 v1(82.208,84.492)
12V: C12.2 J19.1 R9.2 R10.2 R11.2 R12.2 R13.2 TP1.1 U3.1 | length 41.4
  Top Layer w0.254: R12.2@43.6,138.787 43.646,138.787 43.9,139.041 TP1.1@43.9,143.7
  Top Layer w0.5: R12.2@43.6,138.787 43.473,138.787 42.6,137.914 42.6,127.9 45.9,124.6 ; R11.2@46.6,126 46.473,126 46.342,125.869 46.342,125.742 45.9,125.3 45.9,124.6 ; J19.1@49.529,111.9 J19.1@45.2,111.9 43.934,113.166 43.934,118.424 44.758,119.249 45.083,119.249 45.907,120.073 45.907,122.393 45.9,122.4 45.9,124.6
12VP: C11.2 C18.1 C21.1 D1.K R14.2 TP2.1 U3.10 U5.4 U5.5 | length 22
  Top Layer w0.254: U3.10@50.2,136.6 50.294,136.6 50.317,136.623 U3.10@50.317,136.678 ; R14.2@52.5,126 52.627,126 55.3,128.673 TP2.1@55.3,133.6 ; C21.1@54.995,135.822 C21.1@55.3,135.822
  Top Layer w0.5: D1.K@47.6,142.5 48,142.5 48.723,141.777 48.723,140.957 51.1,138.58 51.1,137.382 50.718,137 ; U3.10@50.325,136.678 50.396,136.678 50.718,137 ; C21.1@54.995,135.822 53.817,137 50.718,137
"CAN1 RX": R22.1 TP7.1 U1.33 U6.3 | length 22.4
  Top Layer w0.254: U1.33@59.3,81.707 59.303,81.703 64.303,81.703 67.046,84.446 67.542,84.446 67.74,84.644 v1(67.82,84.644) ; v1(68.957,86.457) 69.013,86.513 69.183,86.513 U6.3@70.138,87.468 ; R22.1@69.707,93.7 68.8,93.7 68.1,93 68.1,89.6 70.195,87.505 U6.3@70.75,87.505
  Bottom Layer w0.254: v1(67.82,84.644) 67.877,84.701 67.877,85.175 68.129,85.427 68.129,85.579 68.957,86.407 v1(68.957,86.457)
"CAN1 TX": R21.1 TP5.1 U1.34 U6.6 | length 20.1
  Top Layer w0.254: U1.34@59.3,82.207 64.107,82.207 67.2,85.3 68.3,85.3 69.764,83.836 ; R21.1@69.707,78.6 69.453,78.854 69.453,79.347 TP5.1@68,80.8 68,82.072 69.764,83.836 ; U6.6@70.75,83.695 70.609,83.836 69.764,83.836
"CAN2 RX": R25.1 TP11.1 U1.57 U4.4 | length 25.3
  Top Layer w0.254: U1.57@53.3,91.207 53.323,91.23 53.323,91.911 60.312,98.9 v1(64,98.9) ; U4.4@64.687,105.749 64.687,105.274 65.5,104.461 v1(65.5,101.856) 65.58,101.856 65.824,102.1 TP11.1@66.8,102.1 66.8,103.707 R25.1@66.993,103.9
  Bottom Layer w0.254: v1(64,98.9) 65.5,100.4 v1@65.5,101.8